# Altium PCB NBRCOR.PcbDoc
Units mm, origin at the board's own origin, x right, y up, seen from the top; angles counter-clockwise.
Board outline 86 x 58 mm, 2 copper layers (Top Layer, Bottom Layer), stack 1.62 mm thick; 76 components, 50 nets, 265 pads, 161 vias.
Unrouted connection lines stored in the file: 3.
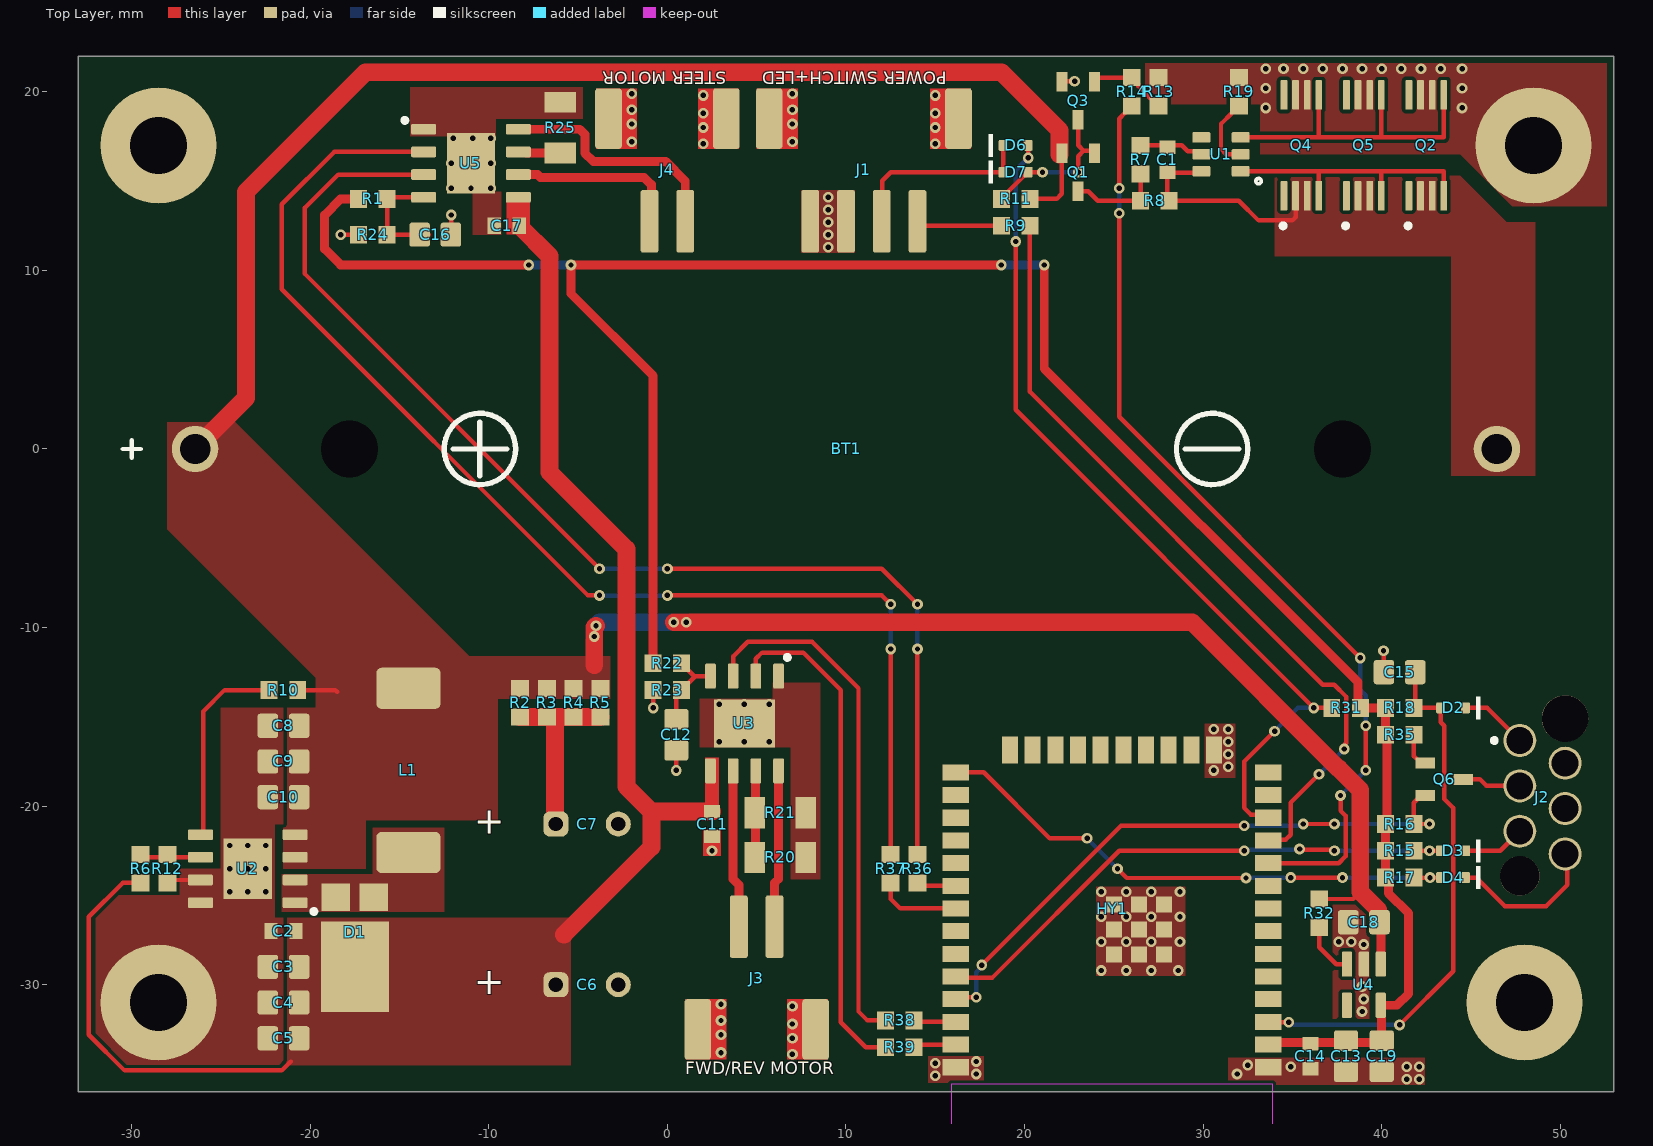
[diagram p0: Top Layer view]
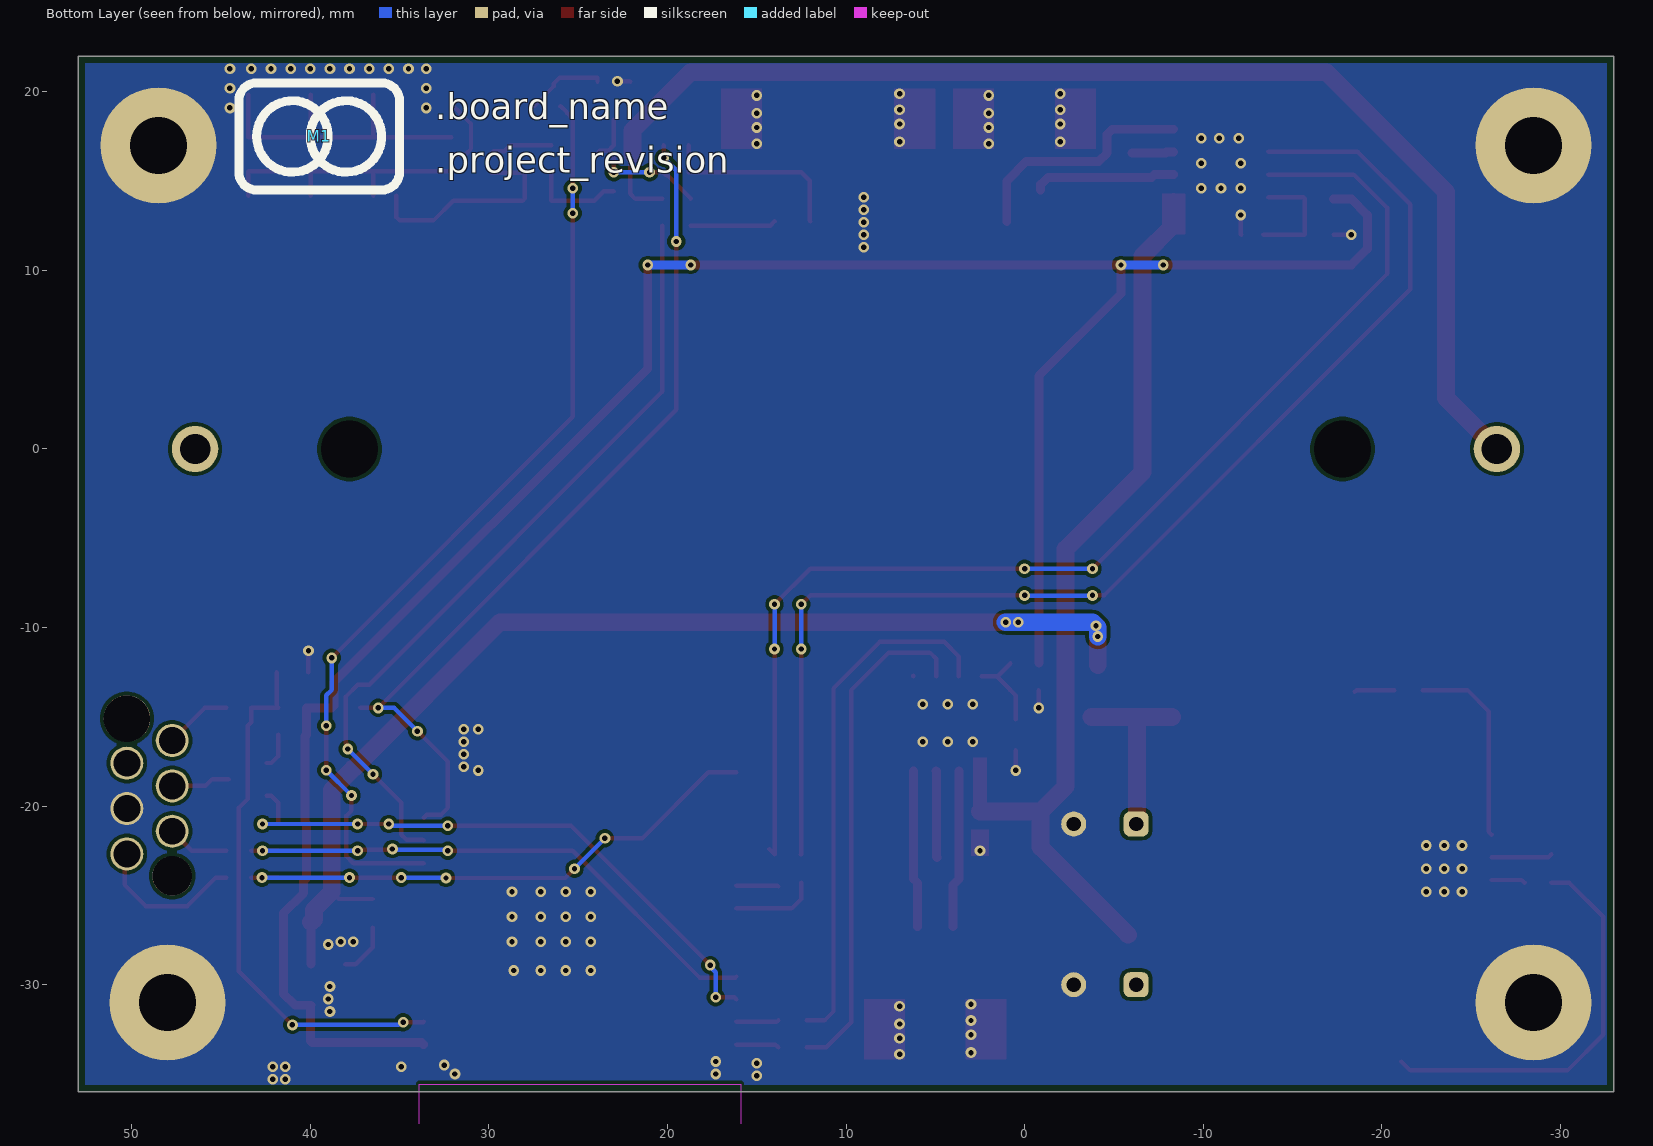
[diagram p1: Bottom Layer view, seen from below]
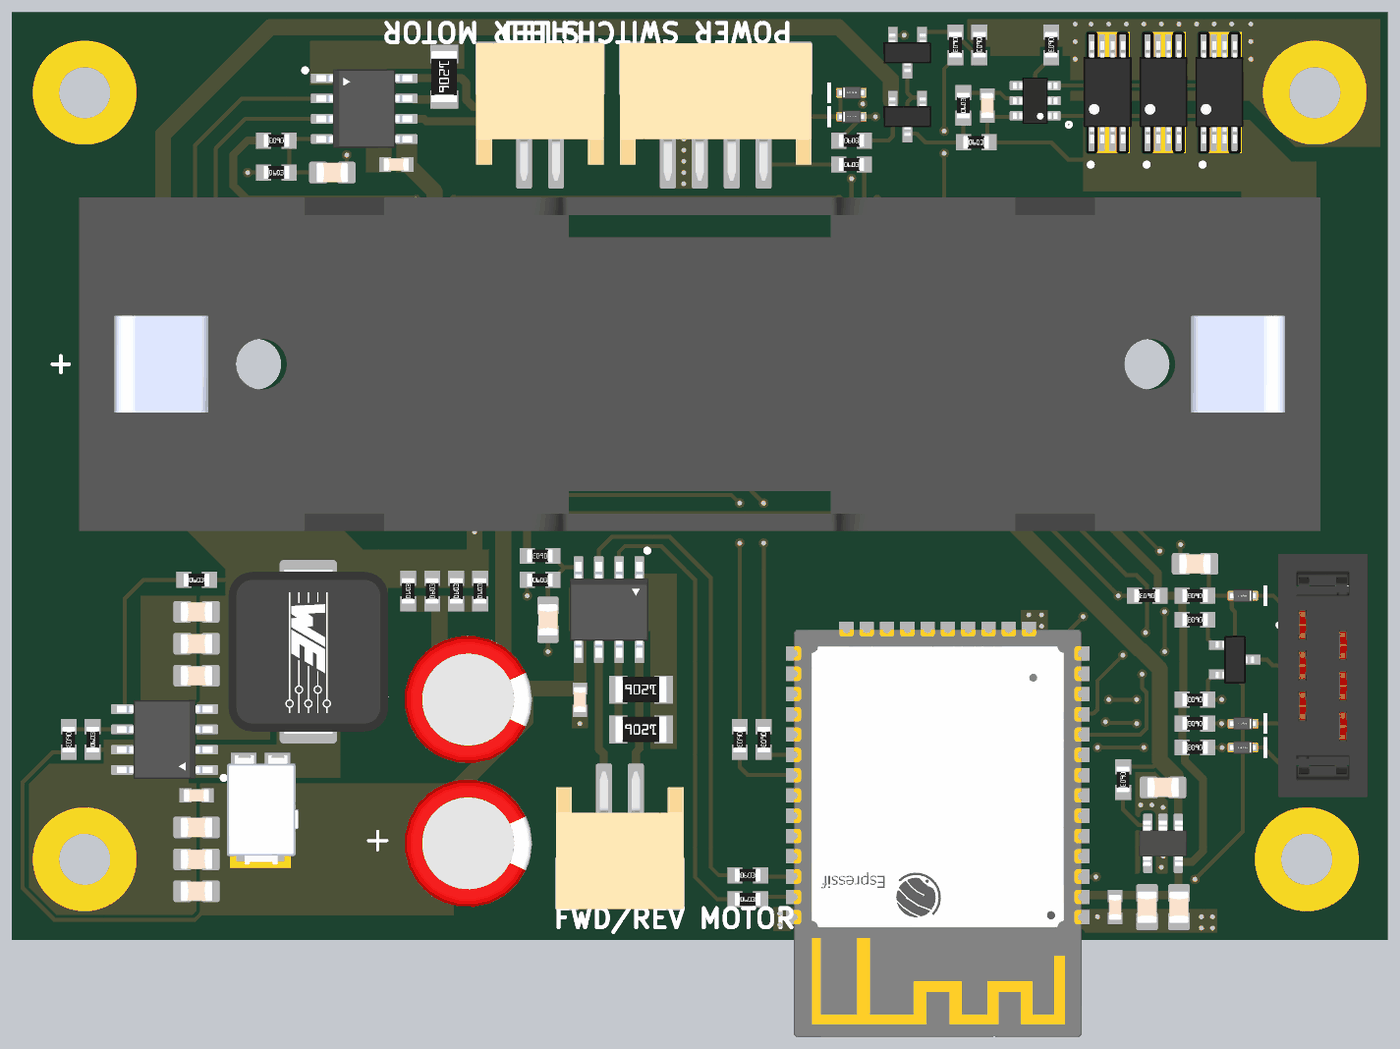
[diagram p2: 3D render of the assembled board from above, using the file's embedded part models]

## Layer stack, top to bottom
Top Solder: solder mask 0.0254, SM-001, Dk 4
Top Layer: signal copper 0.035
Dielectric 2: prepreg 1.55, PP-019, Dk 4.5
Bottom Layer: signal copper 0.035
Bottom Solder: solder mask 0.0254, SM-001, Dk 4

## Board outline
-33,-36 -33,22 53,22 53,-36

## Design rules (kind name [scope] priority, off if disabled: settings)
BoardOutlineClearance [IsElectrical or IsPoly] p1: gap=0.4 ignorepadtopadclearanceinfootprint=FALSE
Clearance Clearance_NTPH_to_Track [IsTrack vs IsPad and IsThruPin and not PadIsPlated] p1: gap=0.254 ignorepadtopadclearanceinfootprint=FALSE
Clearance Clearance_TH_Pad_to_TH_Pad [IsPad and IsThruPin vs IsPad and IsThruPin] p2: gap=0.5 ignorepadtopadclearanceinfootprint=TRUE
Clearance Clearance_SMT_Pad_to_SMT_Pad [IsPad and IsSMTPin vs IsPad and IsSMTPin] p3: gap=0.127 ignorepadtopadclearanceinfootprint=TRUE
Clearance [All] p4: gap=0.2 ignorepadtopadclearanceinfootprint=TRUE except(0.127: SMDPad-SMDPad)
DiffPairsRouting USB_ext_layer_JLCPCB_4layer_7628 [InDifferentialPairClass('All Differential Pairs')] p1: maxlimit=0.33 minlimit=0.29 mostfreqgap=0.31 toplayer_minwidth=0.25 toplayer_maxwidth=0.33 toplayer_prefwidth=0.33 bottomlayer_minwidth=0.25 bottomlayer_maxwidth=0.33 bottomlayer_prefwidth=0.33 maxuncoupledlength=12.7
HoleSize NPTH_HoleSize [IsPad And not PadIsPlated] p1: absolutevalues=TRUE maxlimit=4.4 minlimit=0.2 maxpercent=80.000 minpercent=20.000
HoleSize Pad_HoleSize [IsPad] p2: absolutevalues=TRUE maxlimit=3.2 minlimit=0.5 maxpercent=80.000 minpercent=20.000
HoleSize Via_HoleSize [IsVia] p3: absolutevalues=TRUE maxlimit=6.3 minlimit=0.2 maxpercent=80.000 minpercent=20.000
HoleToHoleClearance [All] p1: gap=0.254 allowstackedmicrovias=FALSE
MatchedLengths USB [InDifferentialPair('USB')] p1: tolerance=0.15 checknetsindiffpair=TRUE checkdiffpairvsdiffpair=FALSE checkxsignals=FALSE checkothers=FALSE
MinimumAnnularRing [All] p1: minimumring=0.13
MinimumSolderMaskSliver [All vs (ispad and PadIsPlated)] p1: minsoldermaskwidth=0.1
PolygonConnect [All] p1: connectstyle=Direct reliefconductorwidth=0.5 reliefentries=4 polygonreliefangle="90 Angle" airgapwidth=0.254
RoutingVias [All] p1: holewidth=0.3 width=0.6 viastyle="Through Hole" minholewidth=0.2 minwidth=0.4 maxholewidth=0.711 maxwidth=1.27
SolderMaskExpansion SolderMaskExpansion_Via [IsVia] p1: expansion=0.102 istentingtop=TRUE
SolderMaskExpansion SolderMaskExpansion_notVia [not IsVia] p2: expansion=0.05 istentingtop=FALSE
Width [All] p1: maxlimit=3 minlimit=0.15 preferedwidth=0.33
26 further rules are at their usual default settings.

## Components (designator, comment, footprint, x,y, rotation, side; value= is the part's Value field where it differs from the comment)
BT1 "BH-18650-PC" BH-18650-PC-Footprint-1 10,0 r0 top locked
C1 "Capacitor 100nF +/-10% 25V X7R 0603" 0603-C-L 28,16.2 r270 top value=100nF
C2 "Capacitor 100nF +/-10% 25V X7R 0603" 0603-C-L -21.5,-27 r180 top value=100nF
C3 "Capacitor 10µF +/-10% 10V X7R 0805" 0805-C-N -21.5,-29 r0 top value=10µF
C4 "Capacitor 10µF +/-10% 10V X7R 0805" 0805-C-N -21.5,-31 r0 top value=10µF
C5 "Capacitor 10µF +/-10% 10V X7R 0805" 0805-C-N -21.5,-33 r0 top value=10µF
C6 "870025374001" WCAP-PTG5_D8H11.5 -4.5,-30 r180 top
C7 "870025374001" WCAP-PTG5_D8H11.5 -4.5,-21 r180 top
C8 "Capacitor 10µF +/-10% 10V X7R 0805" 0805-C-N -21.5,-15.5 r0 top value=10µF
C9 "Capacitor 10µF +/-10% 10V X7R 0805" 0805-C-N -21.5,-17.5 r0 top value=10µF
C10 "Capacitor 1µF +/-10% 10V X7R 0805" 0805-C-N -21.5,-19.5 r0 top value=1µF
C11 "Capacitor 100nF +/-10% 25V X7R 0603" 0603-C-L 2.5,-21 r90 top value=100nF
C12 "Capacitor 1µF +/-10% 10V X7R 0805" 0805-C-N 0.5,-16 r270 top value=1µF
C13 "Capacitor 10µF +/-10% 10V X7R 0805" 0805-C-N 38,-34 r90 top value=10µF
C14 "Capacitor 100nF +/-10% 25V X7R 0603" 0603-C-L 36,-34 r90 top value=100nF
C15 "Capacitor 1µF +/-10% 10V X7R 0805" 0805-C-N 41,-12.5 r0 top value=1µF
C16 "Capacitor 1µF +/-10% 10V X7R 0805" 0805-C-N -13,12 r0 top value=1µF
C17 "Capacitor 100nF +/-10% 25V X7R 0603" 0603-C-L -9,12.5 r0 top value=100nF
C18 "Capacitor 10µF +/-10% 10V X7R 0805" 0805-C-N 39,-26.5 r180 top value=10µF
C19 "Capacitor 10µF +/-10% 10V X7R 0805" 0805-C-N 40,-34 r270 top value=10µF
D1 "PMEG045V100EIPEZ" TO-277 -17.5,-29 r90 top
D2 "1PS79SB30,115" FP-SOD523-MFG 44,-14.5 r180 top
D3 "1PS79SB30,115" FP-SOD523-MFG 44,-22.5 r180 top
D4 "1PS79SB30,115" FP-SOD523-MFG 44,-24 r180 top
D6 "1PS79SB30,115" FP-SOD523-MFG 19.5,17 r0 top
D7 "1PS79SB30,115" FP-SOD523-MFG 19.5,15.5 r0 top
HY1 "ESP32-WROOM-32E-N4" FP-ESP32-WROOM-32E_4MB-MFG 24.9,-29.36 r180 top
J1 "620104131822" 620104131822 11,14.5 r180 top
J2 "490107670612" "490107670612_Debugging Application" 49,-19.5 r90 top
J3 "620102131822" 620102131822 5,-28.5 r0 top
J4 "620102131822" 620102131822 0,14.5 r180 top
L1 "7443330220" WE-HCC_1090 -14.5,-18 r270 top
M1 "Logo" LOGO_9x6mm 39.5,17.5 r0 bottom
Q1 "SI3401A-TP" SOT-23-3-N 23,15.5 r270 top
Q2 "FS8205A" TSSOP8 42.5,17 r90 top
Q3 "BC846BLT1G" SOT-23-3-N 23,19.5 r270 top
Q4 "FS8205A" TSSOP8 35.5,17 r90 top
Q5 "FS8205A" TSSOP8 39,17 r90 top
Q6 "BC846BLT1G" SOT-23-3-N 43.5,-18.5 r0 top
R1 "Resistor 27K +/-1% 0.1W 0603" 0603-R-N -16.5,14 r180 top value=27k
R2 "Jumper 0R <50 mOhm 1A 0603" 0603-R-N -8.25,-14.2 r90 top value=0
R3 "Jumper 0R <50 mOhm 1A 0603" 0603-R-N -6.75,-14.2 r90 top value=0
R4 "Jumper 0R <50 mOhm 1A 0603" 0603-R-N -5.25,-14.2 r90 top value=0
R5 "Jumper 0R <50 mOhm 1A 0603" 0603-R-N -3.75,-14.2 r90 top value=0
R6 "Resistor 27K +/-1% 0.1W 0603" 0603-R-N -29.5,-23.5 r270 top value=27k
R7 "Resistor 100R +/-1% 50V 0603" 0603-R-N 26.5,16.2 r90 top value=100
R8 "Resistor 27K +/-1% 0.1W 0603" 0603-R-N 27.3,13.9 r0 top value=27k
R9 "Resistor 3.3k +/-1% 50V 0603" 0603-R-N 19.5,12.5 r0 top value=3.3k
R10 "Jumper 0R <50 mOhm 1A 0603" 0603-R-N -21.5,-13.5 r0 top value=0
R11 "Resistor 27K +/-1% 0.1W 0603" 0603-R-N 19.5,14 r0 top value=27k
R12 "Resistor 4.7k +/-1% 50V 0603" 0603-R-N -28,-23.5 r90 top value=4.7k
R13 "Resistor 27K +/-1% 0.1W 0603" 0603-R-N 27.5,20 r270 top value=27k
R14 "Resistor 3.3k +/-1% 50V 0603" 0603-R-N 26,20 r270 top value=3.3k
R15 "Resistor 3.3k +/-1% 50V 0603" 0603-R-N 41,-22.5 r180 top value=3.3k
R16 "Resistor 3.3k +/-1% 50V 0603" 0603-R-N 41,-21 r180 top value=3.3k
R17 "Resistor 3.3k +/-1% 50V 0603" 0603-R-N 41,-24 r180 top value=3.3k
R18 "Resistor 3.3k +/-1% 50V 0603" 0603-R-N 41,-14.5 r180 top value=3.3k
R19 "Resistor 1.2k +/-1% 50V 0603" 0603-R-N 32,20 r270 top value=1.2k
R20 "CSR1206FKR100" 1206-R-N 6.316,-22.872 r180 top value=0.1
R21 "CSR1206FKR100" 1206-R-N 6.316,-20.372 r180 top value=0.1
R22 "Resistor 27K +/-1% 0.1W 0603" 0603-R-N 0,-12 r180 top value=27k
R23 "Resistor 1.2k +/-1% 50V 0603" 0603-R-N 0,-13.5 r0 top value=1.2k
R24 "Resistor 1.2k +/-1% 50V 0603" 0603-R-N -16.5,12 r0 top value=1.2k
R25 "CSR1206FKR100" 1206-R-N -6,18 r270 top value=0.1
R31 "Resistor 3.3k +/-1% 50V 0603" 0603-R-N 38,-14.5 r180 top value=3.3k
R32 "Jumper 0R <50 mOhm 1A 0603" 0603-R-N 36.5,-26 r270 top value=0
R35 "Resistor 3.3k +/-1% 50V 0603" 0603-R-N 41,-16 r180 top value=3.3k
R36 "Jumper 0R <50 mOhm 1A 0603" 0603-R-N 14,-23.5 r270 top value=0
R37 "Jumper 0R <50 mOhm 1A 0603" 0603-R-N 12.5,-23.5 r270 top value=0
R38 "Jumper 0R <50 mOhm 1A 0603" 0603-R-N 13,-32 r0 top value=0
R39 "Jumper 0R <50 mOhm 1A 0603" 0603-R-N 13,-33.5 r0 top value=0
U1 "DW01A" SOT-23-6 31,16.5 r180 top
U2 "XR2981" SOIC8_N_EP -23.5,-23.5 r180 top
U3 "DRV8870DDAR" SOIC8_N_EP 4.316,-15.372 r270 top
U4 "XC6220B331MR-G" SOT25-N 39,-30 r270 top
U5 "DRV8870DDAR" SOIC8_N_EP -11,16 r0 top

## Footprints (in the part's own frame and the unit in brackets; to place one, negate y for a bottom-side part, rotate by r counter-clockwise, add the part's x,y. Pads: shape width x height; smd on the part's side, far side on the other; paste and mask are expansions set on the pad)
0603-C-L [mm]
  rect 0.75x0.9 smd: 1(-0.7,0) 2(0.7,0)
  body extent -0.8,-0.4 0.8,0.4, height 0.81
0603-R-N [mm]
  rect 0.95x1 smd: 1(-0.8,0) 2(0.8,0)
  body extent -0.8,-0.4 0.8,0.4, height 0.47
0805-C-N [mm]
  rrect25% 1.15x1.35 smd: 1(-0.875,0) 2(0.875,0)
  body extent -1,-0.63 1,0.63, height 1.26
1206-R-N [mm] "Chip Resistor, 2-Leads, 1206, IPC Medium Density"
  rect 1.15x1.75 smd: 1(-1.425,0) 2(1.425,0)
  body extent -1.6,-0.8 1.6,0.8, height 0.62
"490107670612_Debugging Application" [mm] "REDFIT IDC SKEDD Connector, pitch 2.54mm, 6p"
  round 1.85 hole 1.5: 1(3.175,1.27) 2(1.905,-1.27) 3(0.635,1.27) 4(-0.635,-1.27) 5(-1.905,1.27) 6(-3.175,-1.27)
  round 2.2 hole 2.2 unplated: MH1(-4.405,1.27)
  round 2.6 hole 2.6 unplated: MH2(4.405,-1.27)
  silkscreen extent 3.05,2.58 3.3,2.82, body extent -7.61,-2.8 7.6,2.8, height 10.5
620102131822 [mm] "2.00mm SMT Male Horizontal Shrouded Header, 2p"
  rrect25% 1x3.5 smd: 1(-1,1.75) 2(1,1.75)
  rrect25% 1.5x3.4 smd: MP1(-3.3,-4) MP2(3.3,-4)
  body extent -4,-5.6 4,3, height 5.57
620104131822 [mm] "2.00mm SMT Male Horizontal Shrouded Header, 4p"
  rrect25% 1x3.5 smd: 1(-3,1.75) 2(-1,1.75) 3(1,1.75) 4(3,1.75)
  rrect25% 1.5x3.4 smd: MP1(-5.3,-4) MP2(5.3,-4)
  body extent -6,-5.6 6,3, height 5.57
BH-18650-PC-Footprint-1 [mm]
  round 2.6 hole 1.7: 1(-36.45,0) 2(36.45,0)
  round 0 hole 3.2 unplated: 3(-27.8,0) 4(27.8,0)
  silkscreen extent -40.5,-2 22.5,2, body extent -38.85,-10.45 38.85,10.45, height 21.31
FP-ESP32-WROOM-32E_4MB-MFG [mm]
  rect 1.5x0.9 smd paste+0 mask+0: 1(-8.75,5.26) 2(-8.75,3.99) 3(-8.75,2.72) 4(-8.75,1.45) 5(-8.75,0.18) 6(-8.75,-1.09) 7(-8.75,-2.36) 8(-8.75,-3.63) 9(-8.75,-4.9) 10(-8.75,-6.17) 11(-8.75,-7.44) 12(-8.75,-8.71) 13(-8.75,-9.98) 14(-8.75,-11.25) 25(8.75,-11.25) 26(8.75,-9.98) 27(8.75,-8.71) 28(8.75,-7.44) 29(8.75,-6.17) 30(8.75,-4.9) 31(8.75,-3.63) 32(8.75,-2.36) 33(8.75,-1.09) 34(8.75,0.18) 35(8.75,1.45) 36(8.75,2.72) 37(8.75,3.99) 38(8.75,5.26)
  rect 0.9x1.5 smd paste+0 mask+0: 15(-5.71,-12.5) 16(-4.44,-12.5) 17(-3.17,-12.5) 18(-1.9,-12.5) 19(-0.63,-12.5) 20(0.64,-12.5) 21(1.91,-12.5) 22(3.18,-12.5) 23(4.45,-12.5) 24(5.72,-12.5)
  rect 0.9x0.9 smd paste+0 mask+0: 39.1(-2.9,-1.06) 39.2(-1.5,-1.06) 39.3(-0.1,-1.06) 39.4(-2.9,-2.46) 39.5(-1.5,-2.46) 39.6(-0.1,-2.46) 39.7(-2.9,-3.86) 39.8(-1.5,-3.86) 39.9(-0.1,-3.86)
  Keep-Out Layer region: -9,6.205 9,6.205 9,12.395 -9,12.395
  body extent -9.6,-13.35 9.6,12.93, height 0.25
FP-SOD523-MFG [mm]
  rrect25% 0.5x0.6 smd paste-1000 mask+0: 1(-0.7,0) 2(0.7,0)
  silkscreen extent -1.53,-0.64 -1.27,0.65, body extent -1.07,-0.6 1.07,0.6, height 0.25
LOGO_9x6mm [mm]
  silkscreen extent -4.5,-3 4.5,3
SOIC8_N_EP [mm] "SOIC, 8-Leads, Body 5x4mm, Pitch 1.27mm, IPC Medium Density"
  rrect25% 1.4x0.6 smd: 1(-2.65,1.905) 2(-2.65,0.635) 3(-2.65,-0.635) 4(-2.65,-1.905) 5(2.65,-1.905) 6(2.65,-0.635) 7(2.65,0.635) 8(2.65,1.905)
  rect 2.71x3.4 smd: 9(0,0)
  silkscreen extent -3.83,2.28 -3.58,2.52, body extent -3,-2.46 3,2.46, height 1.75
SOT25-N [mm] "SOT-23-5 IPC Nominal"
  rrect25% 1.407x0.576 smd: 1(-1.151,0.95) 2(-1.151,0) 3(-1.151,-0.95) 4(1.151,-0.95) 5(1.151,0.95)
  body extent -1.42,-1.5 1.42,1.5, height 1.2
SOT-23-3-N [mm] "SOT-23, 3-Leads, Body 3x1.4mm, Pitch 0.95mm, IPC Medium Density"
  rect 1.09x0.61 smd: 1(-1.07,0.915) 2(-1.07,-0.915) 3(1.07,0)
  body extent -1.22,-1.5 1.22,1.5, height 1
SOT-23-6 [mm]
  rrect20% 1x0.58 smd: 1(-1.1,0.95) 2(-1.1,0) 3(-1.1,-0.95) 4(1.1,-0.95) 5(1.1,0) 6(1.1,0.95)
  silkscreen extent -2.25,1.35 -1.95,1.65, body extent -1.4,-1.45 1.4,1.45, height 1.45
TO-277 [mm] "3-PowerDFN, CFP15B, SOT1289B"
  rect 5.06x3.8 smd paste-10: 1(0,0)
  rect 1.54x1.6 smd: 2(3.9,-1.065) 2(3.9,1.065)
  body extent -2.3,-2.35 4.5,2.1, height 0.98
TSSOP8 [mm]
  rrect25% 1.655x0.381 smd: 1(-2.825,0.975) 2(-2.825,0.325) 3(-2.825,-0.325) 4(-2.825,-0.975) 5(2.825,-0.975) 6(2.825,-0.325) 7(2.825,0.325) 8(2.825,0.975)
  silkscreen extent -4.63,0.9 -4.38,1.15, body extent -3.17,-1.53 3.23,1.47, height 1.2
WCAP-PTG5_D8H11.5 [mm] "Aluminum Polymer Capacitors, 8x11.5mm"
  rrect50% 1.4x1.4 hole 0.8: 1(1.75,0)
  round 1.4 hole 0.8: 2(-1.75,0)
  body extent -3.99,-4 3.97,3.98, height 11.81
WE-HCC_1090 [mm] "SMT High Current Cube Inductor, 2-Leads, body 10.9x10mm"
  rrect25% 2.3x3.6 smd: 1(-4.6,0) 2(4.6,0)
  body extent -5.12,-5 5.13,5, height 9.3
